# Altium PCB PCB2.PcbDoc (part 6 of 16) (continued)
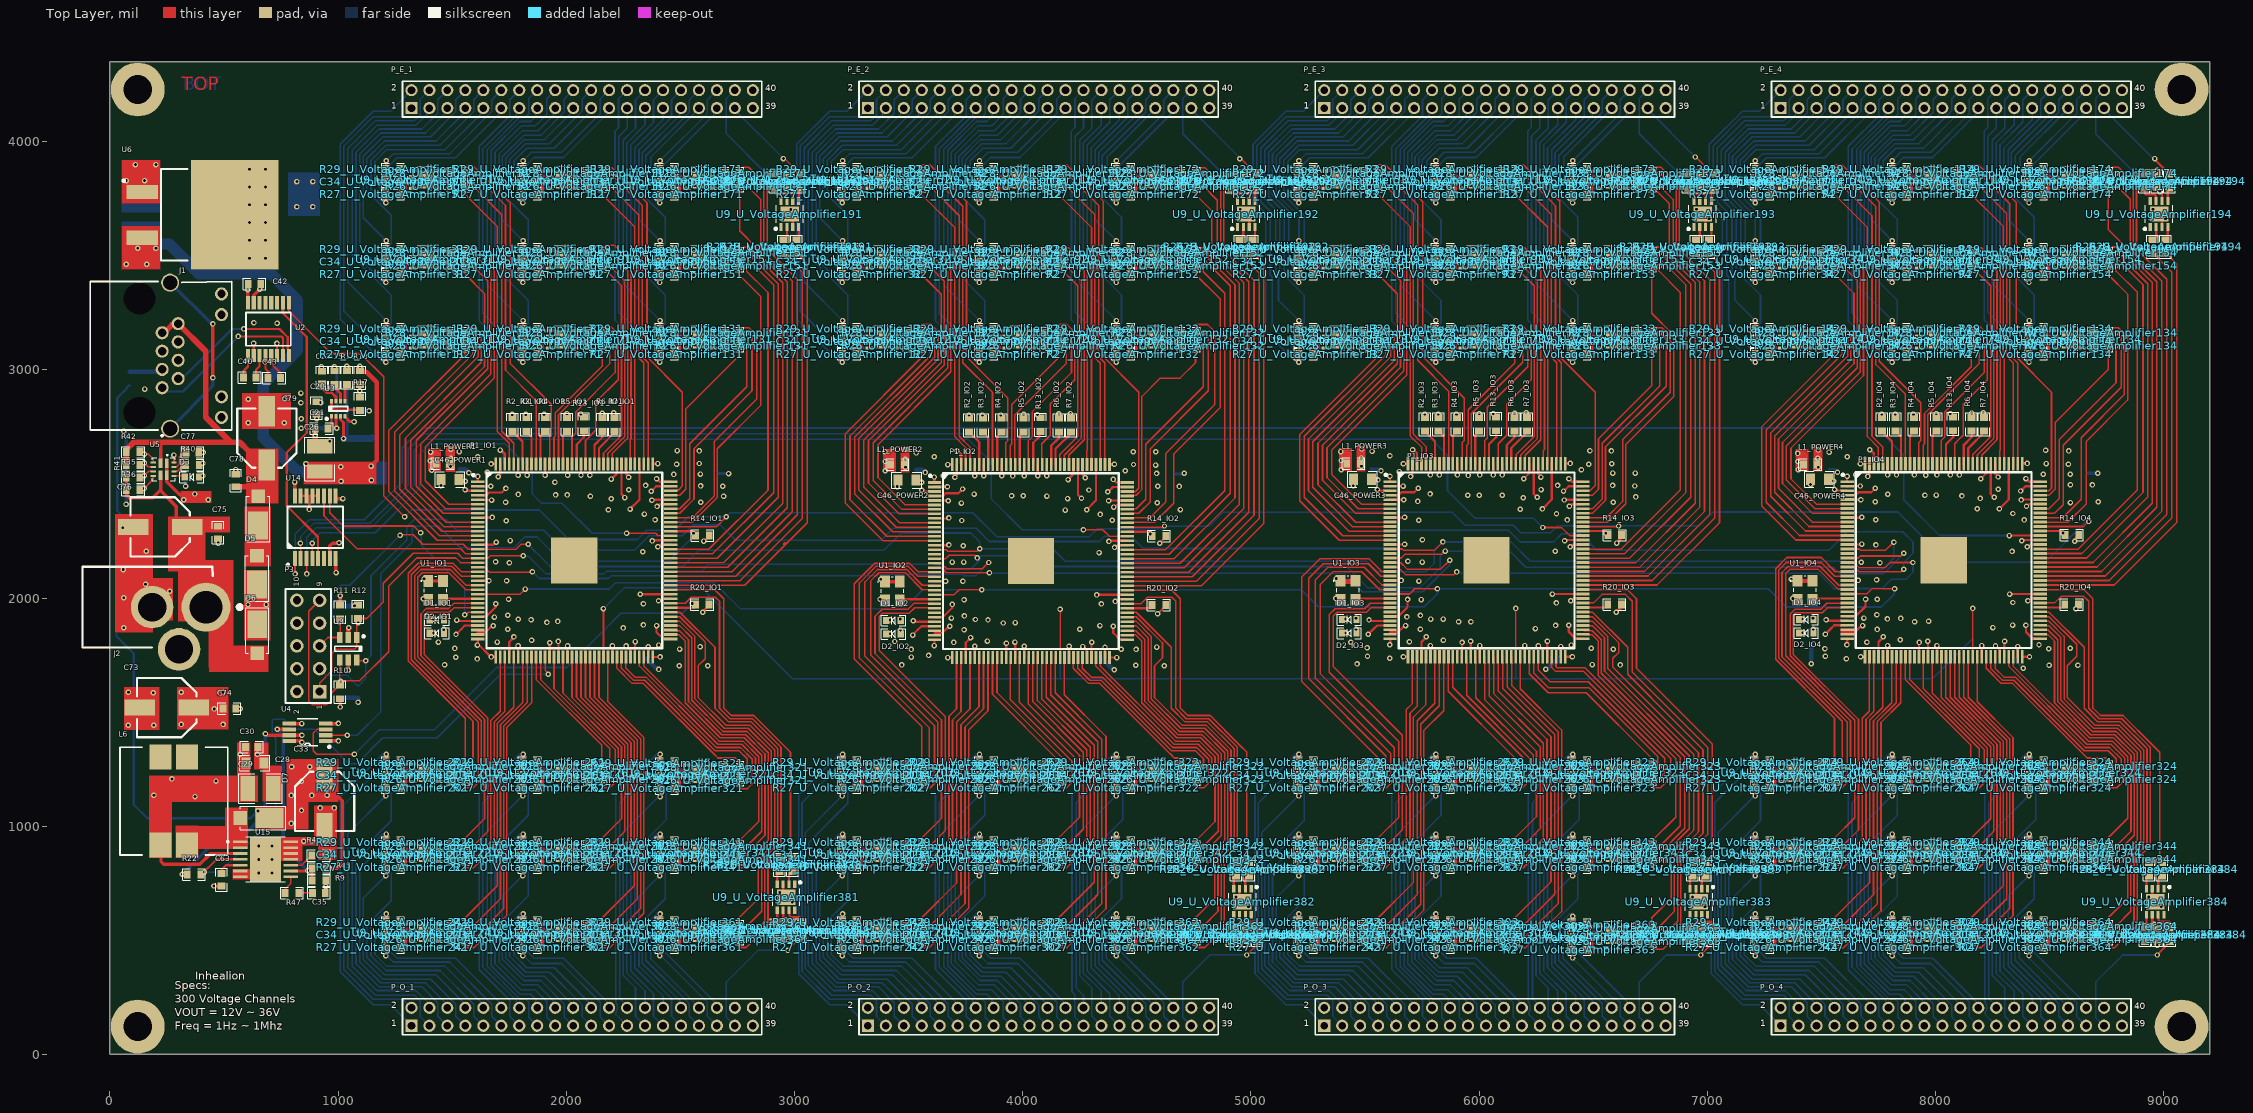
[diagram p0: Top Layer view]
## Nets (pads, with @x,y where several pads share a name; then routed paths per layer and width w, separated by ;. In a path a pad name is that pad's centre, name@x,y a point inside that pad or via, vN(x,y) a via of type N, cw(c..) or ccw(c..) an arc to the next point about the centre after c; other vN are vias at no path point) (continued)
  Top Layer w12: U3.4@1030.36,2796.79 1030.36,2794.76 1052.67,2772.44 v1(1069.68,2772.44)
  Top Layer w15: v1(455.76,737.99) 456.42,737.33 458.68,737.33 458.78,737.43 C63.1@489.76,737.43 ; U2.15@630.18,3294.06 630.18,3327.31 661.12,3358.25 C42.1@661.12,3375.49 ; U4.5@785.46,1449.59 839.96,1449.59 v1@840.26,1449.29 ; U4.1@945.46,1373.59 1001.96,1373.59 v1@1002.16,1373.39 ; U4.4@945.46,1449.59 1003.15,1449.59 v1@1003.83,1448.91 ; U14.7@963.84,2172.97 963.84,2228.44 976.05,2240.65 1002.22,2240.65 v1(1003.94,2242.37) ; U14.8@989.43,2172.97 989.39,2172.93 989.39,2113.06 v1(990.76,2111.69) ; U14.9@989.43,2447.61 989.43,2436.95 990.78,2435.59 v1(1021.26,2435.59)
  Top Layer w20: U8.2@1044.26,1826.9 1044.93,1827.57 1044.93,1866.82 1046.55,1868.44 v1(1046.55,1869.53)
  Top Layer w25: C21.1@899.96,2743.19 899.96,2683.99 C26.1@919.56,2664.39
  Bottom Layer w10: U9_U_VoltageAmplifier251.9@1384.17,533.98 1396.97,521.18 U9_U_VoltageAmplifier251.3@1441.26,521.18 ; U9_U_VoltageAmplifier231.9@1384.17,883.98 1396.97,871.18 U9_U_VoltageAmplifier231.3@1441.26,871.18 ; U9_U_VoltageAmplifier211.9@1384.17,1233.98 1396.97,1221.18 U9_U_VoltageAmplifier211.3@1441.26,1221.18 ; U9_U_VoltageAmplifier21.9@1384.17,3133.98 1396.97,3121.18 U9_U_VoltageAmplifier21.3@1441.26,3121.18 ; U9_U_VoltageAmplifier41.9@1384.17,3483.98 1396.97,3471.18 U9_U_VoltageAmplifier41.3@1441.26,3471.18 ; U9_U_VoltageAmplifier61.9@1384.17,3833.98 1396.97,3821.18 U9_U_VoltageAmplifier61.3@1441.26,3821.18 ; v1(1710.46,2648.29) 1724.28,2634.47 C9_POWER1.2@1724.28,2594.53 ; U9_U_VoltageAmplifier311.9@1984.17,533.98 1996.97,521.18 U9_U_VoltageAmplifier311.3@2041.26,521.18 ; U9_U_VoltageAmplifier291.9@1984.17,883.98 1996.97,871.18 U9_U_VoltageAmplifier291.3@2041.26,871.18 ; U9_U_VoltageAmplifier271.9@1984.17,1233.98 1996.97,1221.18 U9_U_VoltageAmplifier271.3@2041.26,1221.18 ; U9_U_VoltageAmplifier81.9@1984.17,3133.98 1996.97,3121.18 U9_U_VoltageAmplifier81.3@2041.26,3121.18 ; U9_U_VoltageAmplifier101.9@1984.17,3483.98 1996.97,3471.18 U9_U_VoltageAmplifier101.3@2041.26,3471.18 ; U9_U_VoltageAmplifier121.9@1984.17,3833.98 1996.97,3821.18 U9_U_VoltageAmplifier121.3@2041.26,3821.18 ; U9_U_VoltageAmplifier371.9@2584.17,533.98 2596.97,521.18 U9_U_VoltageAmplifier371.3@2641.26,521.18 ; U9_U_VoltageAmplifier351.9@2584.17,883.98 2596.97,871.18 U9_U_VoltageAmplifier351.3@2641.26,871.18 ; U9_U_VoltageAmplifier141.9@2584.17,3133.98 2596.97,3121.18 U9_U_VoltageAmplifier141.3@2641.26,3121.18 ; U9_U_VoltageAmplifier161.9@2584.17,3483.98 2596.97,3471.18 U9_U_VoltageAmplifier161.3@2641.26,3471.18 ; U9_U_VoltageAmplifier181.9@2584.17,3833.98 2596.97,3821.18 U9_U_VoltageAmplifier181.3@2641.26,3821.18 ; U9_U_VoltageAmplifier331.9@2585.35,1230.39 2598.14,1217.59 U9_U_VoltageAmplifier331.3@2642.43,1217.59 ; U9_U_VoltageAmplifier252.9@3384.17,533.98 3396.97,521.18 U9_U_VoltageAmplifier252.3@3441.26,521.18 ; U9_U_VoltageAmplifier232.9@3384.17,883.98 3396.97,871.18 U9_U_VoltageAmplifier232.3@3441.26,871.18 ; U9_U_VoltageAmplifier212.9@3384.17,1233.98 3396.97,1221.18 U9_U_VoltageAmplifier212.3@3441.26,1221.18 ; U9_U_VoltageAmplifier22.9@3384.17,3133.98 3396.97,3121.18 U9_U_VoltageAmplifier22.3@3441.26,3121.18 ; U9_U_VoltageAmplifier42.9@3384.17,3483.98 3396.97,3471.18 U9_U_VoltageAmplifier42.3@3441.26,3471.18 ; U9_U_VoltageAmplifier62.9@3384.17,3833.98 3396.97,3821.18 U9_U_VoltageAmplifier62.3@3441.26,3821.18 ; v1(3711.56,2645.69) 3725.38,2631.87 C9_POWER2.2@3725.38,2591.93 ; U9_U_VoltageAmplifier312.9@3984.17,533.98 3996.97,521.18 U9_U_VoltageAmplifier312.3@4041.26,521.18 ; U9_U_VoltageAmplifier292.9@3984.17,883.98 3996.97,871.18 U9_U_VoltageAmplifier292.3@4041.26,871.18 ; U9_U_VoltageAmplifier272.9@3984.17,1233.98 3996.97,1221.18 U9_U_VoltageAmplifier272.3@4041.26,1221.18 ; U9_U_VoltageAmplifier82.9@3984.17,3133.98 3996.97,3121.18 U9_U_VoltageAmplifier82.3@4041.26,3121.18 ; U9_U_VoltageAmplifier102.9@3984.17,3483.98 3996.97,3471.18 U9_U_VoltageAmplifier102.3@4041.26,3471.18 ; U9_U_VoltageAmplifier122.9@3984.17,3833.98 3996.97,3821.18 U9_U_VoltageAmplifier122.3@4041.26,3821.18 ; U9_U_VoltageAmplifier372.9@4584.17,533.98 4596.97,521.18 U9_U_VoltageAmplifier372.3@4641.26,521.18 ; U9_U_VoltageAmplifier352.9@4584.17,883.98 4596.97,871.18 U9_U_VoltageAmplifier352.3@4641.26,871.18 ; U9_U_VoltageAmplifier332.9@4584.17,1233.98 4596.97,1221.18 U9_U_VoltageAmplifier332.3@4641.26,1221.18 ; U9_U_VoltageAmplifier142.9@4584.17,3133.98 4596.97,3121.18 U9_U_VoltageAmplifier142.3@4641.26,3121.18 ; U9_U_VoltageAmplifier162.9@4584.17,3483.98 4596.97,3471.18 U9_U_VoltageAmplifier162.3@4641.26,3471.18 ; U9_U_VoltageAmplifier182.9@4584.17,3833.98 4596.97,3821.18 U9_U_VoltageAmplifier182.3@4641.26,3821.18 ; U9_U_VoltageAmplifier253.9@5384.17,533.98 5396.97,521.18 U9_U_VoltageAmplifier253.3@5441.26,521.18 ; U9_U_VoltageAmplifier233.9@5384.17,883.98 5396.97,871.18 U9_U_VoltageAmplifier233.3@5441.26,871.18 ; U9_U_VoltageAmplifier213.9@5384.17,1233.98 5396.97,1221.18 U9_U_VoltageAmplifier213.3@5441.26,1221.18 ; U9_U_VoltageAmplifier23.9@5384.17,3133.98 5396.97,3121.18 U9_U_VoltageAmplifier23.3@5441.26,3121.18 ; U9_U_VoltageAmplifier43.9@5384.17,3483.98 5396.97,3471.18 U9_U_VoltageAmplifier43.3@5441.26,3471.18 ; U9_U_VoltageAmplifier63.9@5384.17,3833.98 5396.97,3821.18 U9_U_VoltageAmplifier63.3@5441.26,3821.18 ; v1(5708.46,2649.14) 5722.28,2635.32 C9_POWER3.2@5722.28,2595.38 ; U9_U_VoltageAmplifier313.9@5984.17,533.98 5996.97,521.18 U9_U_VoltageAmplifier313.3@6041.26,521.18 ; U9_U_VoltageAmplifier293.9@5984.17,883.98 5996.97,871.18 U9_U_VoltageAmplifier293.3@6041.26,871.18 ; U9_U_VoltageAmplifier273.9@5984.17,1233.98 5996.97,1221.18 U9_U_VoltageAmplifier273.3@6041.26,1221.18 ; U9_U_VoltageAmplifier83.9@5984.17,3133.98 5996.97,3121.18 U9_U_VoltageAmplifier83.3@6041.26,3121.18 ; U9_U_VoltageAmplifier103.9@5984.17,3483.98 5996.97,3471.18 U9_U_VoltageAmplifier103.3@6041.26,3471.18 ; U9_U_VoltageAmplifier123.9@5984.17,3833.98 5996.97,3821.18 U9_U_VoltageAmplifier123.3@6041.26,3821.18 ; U9_U_VoltageAmplifier373.9@6584.17,523.98 6596.97,511.18 U9_U_VoltageAmplifier373.3@6641.26,511.18 ; U9_U_VoltageAmplifier353.9@6584.17,883.98 6596.97,871.18 U9_U_VoltageAmplifier353.3@6641.26,871.18 ; U9_U_VoltageAmplifier333.9@6584.17,1233.98 6596.97,1221.18 U9_U_VoltageAmplifier333.3@6641.26,1221.18 ; U9_U_VoltageAmplifier143.9@6584.17,3133.98 6596.97,3121.18 U9_U_VoltageAmplifier143.3@6641.26,3121.18 ; U9_U_VoltageAmplifier163.9@6584.17,3483.98 6596.97,3471.18 U9_U_VoltageAmplifier163.3@6641.26,3471.18 ; U9_U_VoltageAmplifier183.9@6584.17,3833.98 6596.97,3821.18 U9_U_VoltageAmplifier183.3@6641.26,3821.18 ; U9_U_VoltageAmplifier254.9@7384.17,533.98 7396.97,521.18 U9_U_VoltageAmplifier254.3@7441.26,521.18 ; U9_U_VoltageAmplifier234.9@7384.17,883.98 7396.97,871.18 U9_U_VoltageAmplifier234.3@7441.26,871.18 ; U9_U_VoltageAmplifier214.9@7384.17,1233.98 7396.97,1221.18 U9_U_VoltageAmplifier214.3@7441.26,1221.18 ; U9_U_VoltageAmplifier24.9@7384.17,3133.98 7396.97,3121.18 U9_U_VoltageAmplifier24.3@7441.26,3121.18 ; U9_U_VoltageAmplifier44.9@7384.17,3483.98 7396.97,3471.18 U9_U_VoltageAmplifier44.3@7441.26,3471.18 ; U9_U_VoltageAmplifier64.9@7384.17,3833.98 7396.97,3821.18 U9_U_VoltageAmplifier64.3@7441.26,3821.18 ; C2_POWER4.2@7533.02,2565.29 7560.03,2565.29 v1@7571.43,2553.89 ; v1(7711.46,2649.29) 7725.28,2635.47 C9_POWER4.2@7725.28,2595.53 ; U9_U_VoltageAmplifier314.9@7984.17,533.98 7996.97,521.18 U9_U_VoltageAmplifier314.3@8041.26,521.18 ; U9_U_VoltageAmplifier294.9@7984.17,883.98 7996.97,871.18 U9_U_VoltageAmplifier294.3@8041.26,871.18 ; U9_U_VoltageAmplifier274.9@7984.17,1233.98 7996.97,1221.18 U9_U_VoltageAmplifier274.3@8041.26,1221.18 ; U9_U_VoltageAmplifier84.9@7984.17,3133.98 7996.97,3121.18 U9_U_VoltageAmplifier84.3@8041.26,3121.18 ; U9_U_VoltageAmplifier104.9@7984.17,3483.98 7996.97,3471.18 U9_U_VoltageAmplifier104.3@8041.26,3471.18 ; U9_U_VoltageAmplifier124.9@7984.17,3833.98 7996.97,3821.18 U9_U_VoltageAmplifier124.3@8041.26,3821.18 ; C54_POWER4.2@8349.46,1735.17 8349.46,1727.29 v1(8384.46,1692.29) ; U9_U_VoltageAmplifier374.9@8584.17,533.98 8596.97,521.18 U9_U_VoltageAmplifier374.3@8641.26,521.18 ; U9_U_VoltageAmplifier354.9@8584.17,883.98 8596.97,871.18 U9_U_VoltageAmplifier354.3@8641.26,871.18 ; U9_U_VoltageAmplifier334.9@8584.17,1233.98 8596.97,1221.18 U9_U_VoltageAmplifier334.3@8641.26,1221.18 ; U9_U_VoltageAmplifier144.9@8584.17,3133.98 8596.97,3121.18 U9_U_VoltageAmplifier144.3@8641.26,3121.18 ; U9_U_VoltageAmplifier164.9@8584.17,3483.98 8596.97,3471.18 U9_U_VoltageAmplifier164.3@8641.26,3471.18 ; U9_U_VoltageAmplifier184.9@8584.17,3833.98 8596.97,3821.18 U9_U_VoltageAmplifier184.3@8641.26,3821.18
  Bottom Layer w15: v1(60.81,2730.48) 60.81,2728.54 71.86,2717.49 R44.2@71.86,2630.09 ; v1@68.18,2408.07 71.8,2411.69 R44.2@71.8,2646.77
  Bottom Layer w20: C39.1@1008.36,1563.37 1009.58,1562.15 1086.84,1562.15 C37.1@1088.06,1560.93 ; C38.1@1008.46,1963.81 1009.53,1964.88 1085.99,1964.88 C36.1@1087.06,1965.95 ; R19.2@1095.06,2821.39 1095.33,2821.12 1135.25,2821.12 v1(1135.53,2820.85) ; C2_POWER1.2@1532.02,2564.29 1557.68,2564.29 v1@1573.47,2548.5 ; C54_POWER1.2@2348.46,1734.17 2351.18,1734.17 2397.54,1687.81 2404.71,1687.81 v1(2405.48,1687.04) ; C2_POWER2.2@3533.12,2561.69 3559.76,2561.69 v1@3570.96,2550.49 ; C54_POWER2.2@4349.56,1731.57 4352.28,1731.57 4397.49,1686.36 4400.49,1686.36 v1(4401.26,1685.59) ; C2_POWER3.2@5530.02,2565.14 5532.48,2562.68 5564.06,2562.68 5567.76,2558.98 5568.15,2558.98 5569.26,2557.87 v1@5569.26,2557.48 ; v1(6291.82,1688.01) 6292.59,1688.78 6297.5,1688.78 6343.74,1735.02 C54_POWER3.2@6346.46,1735.02 ; C48_POWER4.2@7455.9,1793.29 7455.9,1732.73 C56_POWER4.1@7456.34,1732.29
  other v1: 4971.67,477.42 6971.67,477.42 8971.67,477.42 2971.67,497.42 6562.9,497.16 1362.9,507.16 1962.9,507.16 2562.9,507.16 3362.9,507.16 3962.9,507.16 4562.9,507.16 5362.9,507.16 5962.9,507.16 7362.9,507.16 7962.9,507.16 8562.9,507.16 6393.09,515.18 1193.09,525.18 1793.09,525.18 2393.09,525.18 3193.09,525.18 3793.09,525.18 4393.09,525.18 5193.09,525.18 5793.09,525.18 7193.09,525.18 7793.09,525.18 8393.09,525.18 6605.07,551.87 1405.07,561.87 2005.07,561.87 2605.07,561.87 3405.07,561.87 4005.07,561.87 4605.07,561.87 5405.07,561.87 6005.07,561.87 7405.07,561.87 8005.07,561.87 8605.07,561.87 4989.69,647.23 6989.69,647.23 8989.69,647.23 2989.69,667.23 4934.98,689.4 6934.98,689.4 8934.98,689.4 2934.98,709.4 945.76,735.38 1362.9,857.16 1962.9,857.16 2562.9,857.16 3362.9,857.16 3962.9,857.16 4562.9,857.16 5362.9,857.16 5962.9,857.16 6562.9,857.16 7362.9,857.16 7962.9,857.16 8562.9,857.16 1193.09,875.18 1793.09,875.18 2393.09,875.18 3193.09,875.18 3793.09,875.18 4393.09,875.18 5193.09,875.18 5793.09,875.18 6393.09,875.18 7193.09,875.18 7793.09,875.18 8393.09,875.18 978.76,886.99 1405.07,911.87 2005.07,911.87 2605.07,911.87 3405.07,911.87 4005.07,911.87 4605.07,911.87 5405.07,911.87 6005.07,911.87 6605.07,911.87 7405.07,911.87 8005.07,911.87 8605.07,911.87 849.76,933.99 882.06,934.74 921.76,1079.99 982.61,1079.97 2564.07,1203.57 1362.9,1207.16 1962.9,1207.16 3362.9,1207.16 3962.9,1207.16 4562.9,1207.16 5362.9,1207.16 5962.9,1207.16 6562.9,1207.16 7362.9,1207.16 7962.9,1207.16 8562.9,1207.16 2394.26,1221.59 1193.09,1225.18 1793.09,1225.18 3193.09,1225.18 3793.09,1225.18 4393.09,1225.18 5193.09,1225.18 5793.09,1225.18 6393.09,1225.18 7193.09,1225.18 7793.09,1225.18 8393.09,1225.18 2606.24,1258.28 1405.07,1261.87 2005.07,1261.87 3405.07,1261.87 4005.07,1261.87 4605.07,1261.87 5405.07,1261.87 6005.07,1261.87 6605.07,1261.87 7405.07,1261.87 8005.07,1261.87 8605.07,1261.87 646.29,1314.79 1001.46,1373.69 80.26,1442.89 192.06,1442.89 840.56,1449.59 1001.16,1450.29 570.96,1515.09 1087.19,1542.99 190.16,1585.29 80.86,1586.59 2494.66,1703.01 4494.86,1705.09 8497.46,1705.29 3470.26,1706.59 1466.56,1707.69 6495.76,1708.29 5465.26,1711.09 7455.46,1712.29 1609.96,1732.99 7609.46,1733.29 5608.46,1735.89 3587.46,1748.19 4496.46,1774.69 4431.26,1775.59 2496.36,1776.29 8496.46,1777.29 6491.76,1779.99 2405.36,1793.99 6404.06,1793.99 8453.46,1795.29 3697.56,1805.09 5437.26,1805.69 1439.76,1806.99 7699.46,1806.29 1697.66,1807.09 5694.76,1807.89 3438.76,1809.39 3419.56,1843.69 1418.46,1846.29 5416.46,1847.14 7419.46,1847.29 3742.96,1860.39 1742.76,1862.99 4249.46,1862.99 5743.06,1862.69 7744.46,1862.29 6246.66,1866.19 2249.16,1868.79 59.97,1869.43 8251.46,1870.29 4338.56,1879.39 6334.86,1879.69 2337.66,1881.99 8337.46,1881.29 3914.16,1890.49 3967.66,1892.19 1914.86,1893.19 5909.96,1895.59 5964.26,1896.09 7908.15,1895.62 1962.76,1897.19 7969.46,1898.29 3419.16,1904.09 3847.86,1903.69 1845.36,1905.19 3792.67,1905.8 1418.06,1906.69 1788.96,1907.39 5416.06,1907.54 5787.86,1907.59 5843.16,1907.59 7419.06,1907.69 7789.46,1908.29 7847.46,1910.29 3744.66,1921.49 5743.06,1923.49 1743.36,1924.49 7743.46,1926.29 1071.26,1965.59 4344.83,1973.97 2337.76,1975.29 6338.76,1978.39 8339.46,1980.29 3742.96,1992.89 1746.76,1994.09 5746.56,1993.19 3374.56,1994.69 7744.46,1994.29 1373.46,1997.29 5371.46,1998.14 7374.46,1998.29 60.97,2001.43 261.97,2029.43 155.97,2060.43 3738.16,2073.29 5736.06,2074.39 1738.16,2075.59 7741.46,2080.29 57.97,2124.43 7674.46,2156.29 3690.86,2157.49 1689.76,2159.39 5688.26,2160.59 4334.66,2199.09 2335.36,2203.09 6333.66,2204.69 8335.46,2204.29 158.97,2205.43 475.06,2240.69 55.97,2307.43 1737.06,2338.89 3732.86,2339.69 5735.06,2340.45 4391.76,2341.29 6386.76,2341.99 2389.06,2342.79 8388.46,2342.29 7738.46,2343.29 4340.16,2366.29 2342.06,2367.99 6339.06,2369.09 8339.46,2370.29 2184.66,2387.09 4691.03,2387.39 872.96,2388.35 6180.66,2389.39 70.8,2410.67 3731.36,2416.29 1733.66,2419.89 7736.46,2421.29 8713.46,2422.29 5731.06,2423.19 2196.36,2435.29 4196.36,2435.89 8196.46,2436.29 6193.36,2439.19 6686.86,2442.69 2105.85,2445.87 2688.86,2446.49 4106.25,2446.68 3950.94,2448.35 4002.56,2448.39 5950.36,2450.09 6000.86,2450.59 7953.46,2450.29 1952.76,2451.49 2003.76,2451.49 8003.46,2451.29 1788.96,2454.09 7790.46,2454.29 3786.86,2455.39 5785.26,2456.09 4290.11,2473.35 2273.66,2474.49 6271.36,2474.99 8275.46,2476.29 3449.76,2488.39 4685.56,2488.99 2684.96,2489.89 6682.09,2490.83 5448.86,2491.79 1450.76,2492.79 8687.46,2495.29 7452.46,2497.29 3651.26,2535.59 7650.66,2540.39 2470.26,2541.59 8472.46,2542.29 1573.16,2549.09 1654.26,2550.59 3573.16,2550.49 7570.46,2551.29 5649.66,2553.99 4449.56,2557.79 5570,2558.21 6448.16,2561.49 551.11,2563.04 4582.36,2582.79 8582.46,2586.29 6580.96,2588.73 2582.6,2589.45 407.5,2590.37 1611.61,2618.89 3612.56,2618.49 7613.46,2619.29 5609.26,2622.89 3533.66,2635.89 409.44,2638.04 7533.46,2639.29 4583.18,2640.6 1530.66,2641.59 5530.96,2642.79 2582.06,2644.49 6579.95,2644.27 8583.33,2644.34 962.76,2686.79 899.96,2713.59 605.86,2768.39 763.76,2768.39 4064.56,2803.69 2063.46,2806.29 6061.46,2807.14 8064.46,2807.29 836.86,2855.09 923.56,2856.59 605.86,2870.59 763.76,2870.59 836.86,2898.29 152.26,2915.49 926.66,3013.29 1363.65,3106.4 1962.9,3107.16 2562.9,3107.16 3362.9,3107.16 3962.9,3107.16 4562.9,3107.16 5362.9,3107.16 5962.9,3107.16 6562.9,3107.16 7362.9,3107.16 7962.9,3107.16 8562.9,3107.16 1194.76,3123.3 1793.09,3125.18 2393.09,3125.18 3193.09,3125.18 3793.09,3125.18 4393.09,3125.18 5193.09,3125.18 5793.09,3125.18 6393.09,3125.18 7193.09,3125.18 7793.09,3125.18 8393.09,3125.18 1405.53,3161.83 2005.07,3161.87 2605.07,3161.87 3405.07,3161.87 4005.07,3161.87 4605.07,3161.87 5405.07,3161.87 6005.07,3161.87 6605.07,3161.87 7405.07,3161.87 8005.07,3161.87 8605.07,3161.87 732.26,3204.29 630.96,3206.09 656.88,3352.52 1362.9,3457.16 1962.9,3457.16 2562.9,3457.16 3362.9,3457.16 3962.9,3457.16 4562.9,3457.16 5362.9,3457.16 5962.9,3457.16 6562.9,3457.16 7362.9,3457.16 7962.9,3457.16 8562.9,3457.16 1193.09,3475.18 1793.09,3475.18 2393.09,3475.18 3193.09,3475.18 3793.09,3475.18 4393.09,3475.18 5193.09,3475.18 5793.09,3475.18 6393.09,3475.18 7193.09,3475.18 7793.09,3475.18 8393.09,3475.18 1405.07,3511.87 2005.07,3511.87 2605.07,3511.87 3405.07,3511.87 4005.07,3511.87 4605.07,3511.87 5405.07,3511.87 6005.07,3511.87 6605.07,3511.87 7405.07,3511.87 8005.07,3511.87 8605.07,3511.87 5007.54,3661.78 7007.54,3661.78 9007.54,3661.78 2951.26,3665.59 2983.88,3702.08 4952.83,3703.95 6952.83,3703.95 8952.83,3703.95 819.45,3715.12 889.45,3715.12 1362.9,3807.16 1962.9,3807.16 2562.9,3807.16 3362.9,3807.16 3962.9,3807.16 4562.9,3807.16 5362.9,3807.16 5962.9,3807.16 6562.9,3807.16 7362.9,3807.16 7962.9,3807.16 8562.9,3807.16 819.45,3825.12 889.45,3825.12 1193.09,3825.18 1793.09,3825.18 2393.09,3825.18 3193.09,3825.18 3793.09,3825.18 4393.09,3825.18 5193.09,3825.18 5793.09,3825.18 6393.09,3825.18 7193.09,3825.18 7793.09,3825.18 8393.09,3825.18 71.57,3829.37 151.57,3829.37 1405.07,3861.87 2005.07,3861.87 2605.07,3861.87 3405.07,3861.87 4005.07,3861.87 4605.07,3861.87 5405.07,3861.87 6005.07,3861.87 6605.07,3861.87 7405.07,3861.87 8005.07,3861.87 8605.07,3861.87 4970.85,3873.76 6970.85,3873.76 8970.85,3873.76 2971.26,3875.59 111.57,3899.37 201.57,3899.37
IDA0: P1_IO1.112 R24.1 | length 214.5
  Top Layer w10: v1(2279.26,2389.69) 2320.16,2430.59 P1_IO1.112@2320.16,2587.29
IDA1: P1_IO1.123 R23.1 | length 48.9
  Top Layer w10: v1(2103.63,2538.34) P1_IO1.123@2103.63,2587.29
IDB0: P1_IO2.112 R30.2 | length 214.5
  Top Layer w10: v1(4280.36,2387.09) 4321.26,2427.99 P1_IO2.112@4321.26,2584.69
IDB1: P1_IO2.123 R25.1 | length 48.9
  Top Layer w10: v1(4104.73,2535.74) P1_IO2.123@4104.73,2584.69
IDC0: P1_IO3.112 R32.1 | length 214.5
  Top Layer w10: v1(6277.26,2390.54) 6318.16,2431.44 P1_IO3.112@6318.16,2588.14
IDC1: P1_IO3.123 R31.2 | length 48.9
  Top Layer w10: v1(6101.63,2539.19) P1_IO3.123@6101.63,2588.14
IDD0: P1_IO4.112 R34.2 | length 214.5
  Top Layer w10: v1(8280.26,2390.69) 8321.16,2431.59 P1_IO4.112@8321.16,2588.29
IDD1: P1_IO4.123 R33.2 | length 48.9
  Top Layer w10: v1(8104.63,2539.34) P1_IO4.123@8104.63,2588.29
LED0_IO1: P1_IO1.32 R8_IO1.2 | length 94.4
  Top Layer w10: v1(1519.46,1903.29) 1523.96,1898.79 P1_IO1.32@1611.97,1898.79
LED0_IO2: P1_IO2.32 R8_IO2.2 | length 94.4
  Top Layer w10: v1(3520.56,1900.69) 3525.06,1896.19 P1_IO2.32@3613.07,1896.19
LED0_IO3: P1_IO3.32 R8_IO3.2 | length 94.4
  Top Layer w10: v1(5517.46,1904.14) 5521.96,1899.64 P1_IO3.32@5609.97,1899.64
LED0_IO4: P1_IO4.32 R8_IO4.2 | length 94.4
  Top Layer w10: v1(7520.46,1904.29) 7524.96,1899.79 P1_IO4.32@7612.97,1899.79
LED1_IO1: P1_IO1.33 R21_IO1.2 | length 111.6
  Top Layer w10: v1(1516.46,1840.29) 1539.37,1863.2 1555.27,1879.1 P1_IO1.33@1611.97,1879.1
LED1_IO2: P1_IO2.33 R21_IO2.2 | length 111.6
  Top Layer w10: v1(3517.56,1837.69) 3540.47,1860.6 3556.37,1876.5 P1_IO2.33@3613.07,1876.5
LED1_IO3: P1_IO3.33 R21_IO3.2 | length 111.6
  Top Layer w10: v1(5514.46,1841.14) 5537.37,1864.05 5553.27,1879.95 P1_IO3.33@5609.97,1879.95
LED1_IO4: P1_IO4.33 R21_IO4.2 | length 111.6
  Top Layer w10: v1(7517.46,1841.29) 7540.37,1864.2 7556.27,1880.1 P1_IO4.33@7612.97,1880.1
NetC18_1: C18.1 L4.1 U3.3 | length 472.6
  Top Layer w12: U3.3@1010.67,2796.79 1010.67,2781.79 1023.86,2768.6 v1(1023.86,2698.79)
  Bottom Layer w12: v1@1028.14,2703.07 1039.26,2714.19 C18.1@1039.26,2938.43
  Bottom Layer w30: v1(1023.86,2698.79) 1146.98,2698.79 L4.1@1151.26,2703.07
NetC18_2: C18.2 R16.2
  other v1: 1037.26,3015.09
NetC21_2: C21.2 U3.1 | length 60.3
  Top Layer w10: C21.2@955.08,2743.19 971.3,2759.42 U3.1@971.3,2796.79
NetC22_2: C22.2 U3.7 | length 113.7
  Top Layer w12: C22.2@928.77,2938.43 928.77,2921.08 950.07,2899.79 971.1,2899.79 990.99,2879.89 U3.7@990.99,2862.77
NetC25_2: C25.2 R17.1 R18.1 R19.1 | length 111.1
  Top Layer w12: R17.1@1095.06,2881.39 v1(1095.06,2908.49) 1095.06,2935.59 R18.1@1095.16,2935.69
  Bottom Layer w12: R19.1@1095.06,2881.39 1095.06,2938.03 C25.2@1095.16,2938.13
NetC35_2: C35.2 R47.1 | length 60.9
  Top Layer w7: R47.1@827.76,707.99 887.2,707.99 C35.2@888.2,706.99
NetC63_2: C63.2 U15.5 | length 107.1
  Top Layer w10: C63.2@489.76,792.55 489.76,809.99 509.03,829.26 U15.5@571.43,829.26
NetC77_2: C77.2 U5.11 | length 101.2
  Top Layer w7: U5.11@280.66,2574.63 292.57,2574.63 303.6,2585.67 303.6,2616.32 C77.2@334.04,2646.77
NetD1_IO1_1: D1_IO1.1 R8_IO1.1
  other v1: 1462.56,1910.39
NetD1_IO2_1: D1_IO2.1 R8_IO2.1
  other v1: 3463.66,1907.79
NetD1_IO3_1: D1_IO3.1 R8_IO3.1
  other v1: 5460.56,1911.24
NetD1_IO4_1: D1_IO4.1 R8_IO4.1
  other v1: 7463.56,1911.39
NetD2_IO1_1: D2_IO1.1 R21_IO1.1 | length 18.7
  Bottom Layer w10: R21_IO1.1@1444.26,1862.09 v1(1462.96,1862.09)
NetD2_IO2_1: D2_IO2.1 R21_IO2.1 | length 18.7
  Bottom Layer w10: R21_IO2.1@3445.36,1859.49 v1(3464.06,1859.49)
NetD2_IO3_1: D2_IO3.1 R21_IO3.1 | length 18.7
  Bottom Layer w10: R21_IO3.1@5442.26,1862.94 v1(5460.96,1862.94)
NetD2_IO4_1: D2_IO4.1 R21_IO4.1 | length 18.7
  Bottom Layer w10: R21_IO4.1@7445.26,1863.09 v1(7463.96,1863.09)
NetD3_1: D3.1 R37.2
  other v1: 407.5,2536.07